# Altium PCB PM06-核心板载板-V1.PcbDoc
Units mil, origin at the board's own origin, x right, y up, seen from the top; angles counter-clockwise.
Board outline 3346.46 x 2204.72 mil, 2 copper layers (Top Layer, Bottom Layer); 38 components, 125 nets, 284 pads, 91 vias.
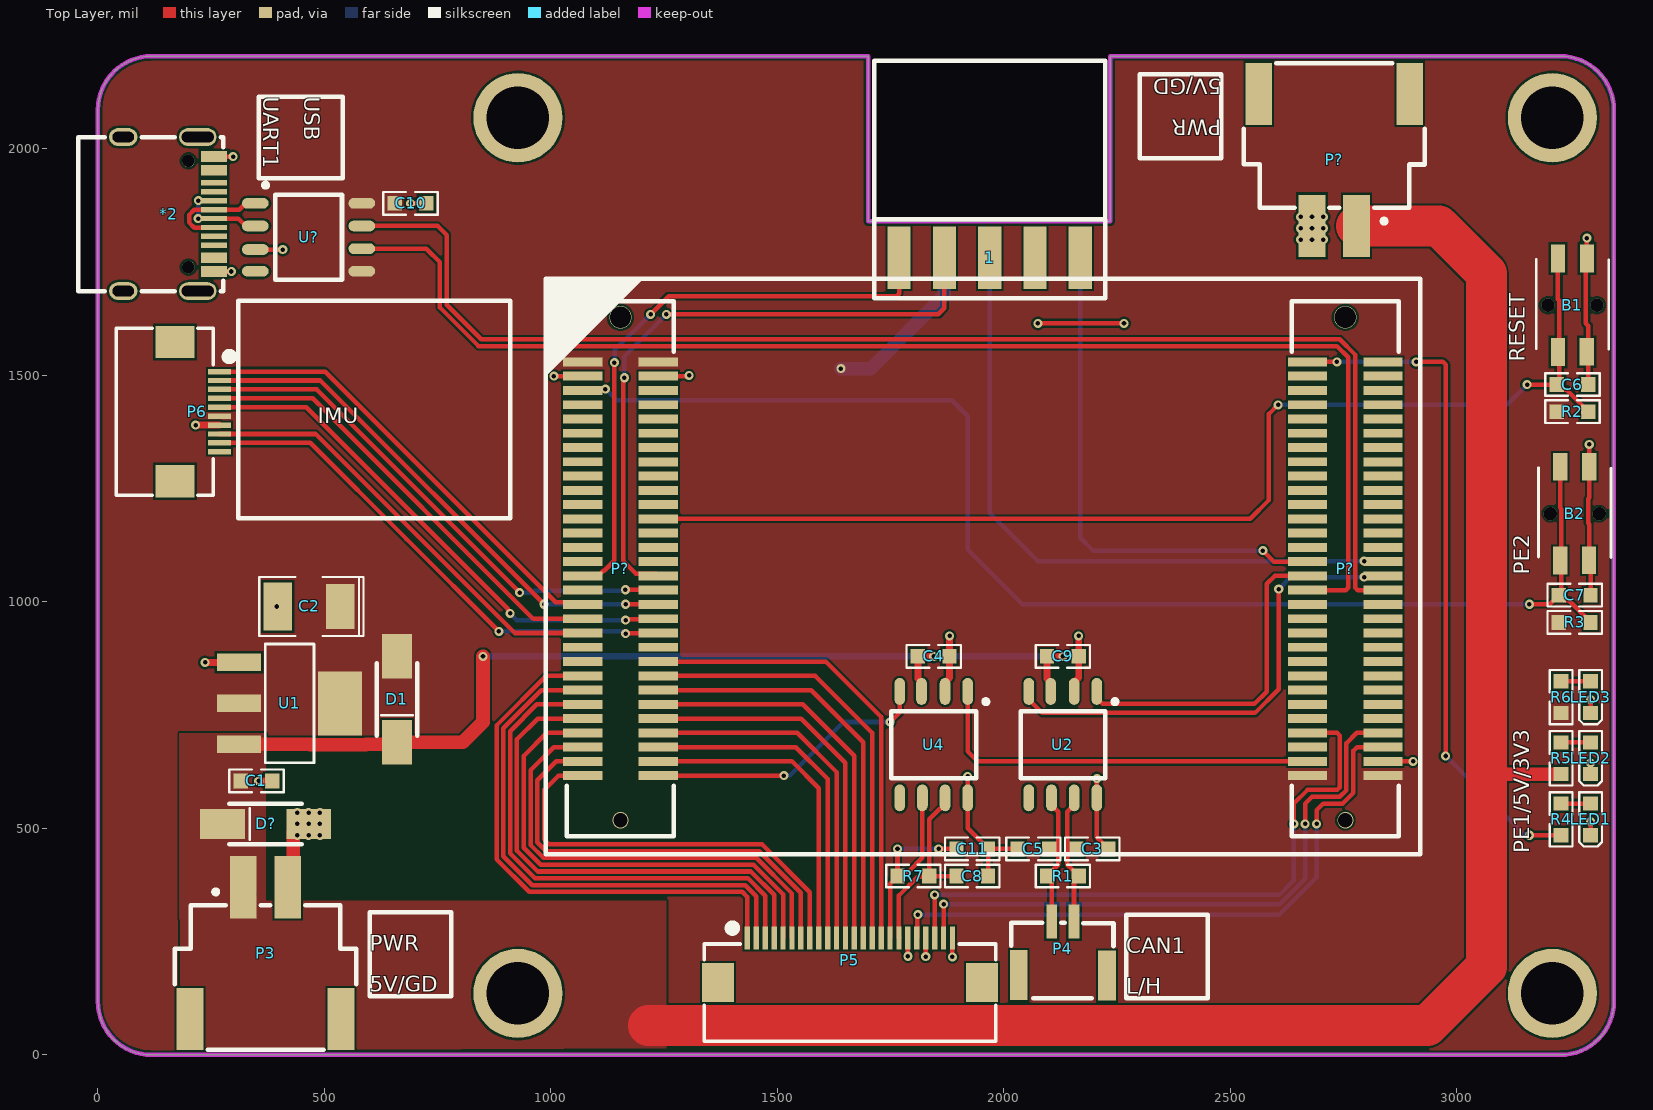
[diagram p0: Top Layer view]
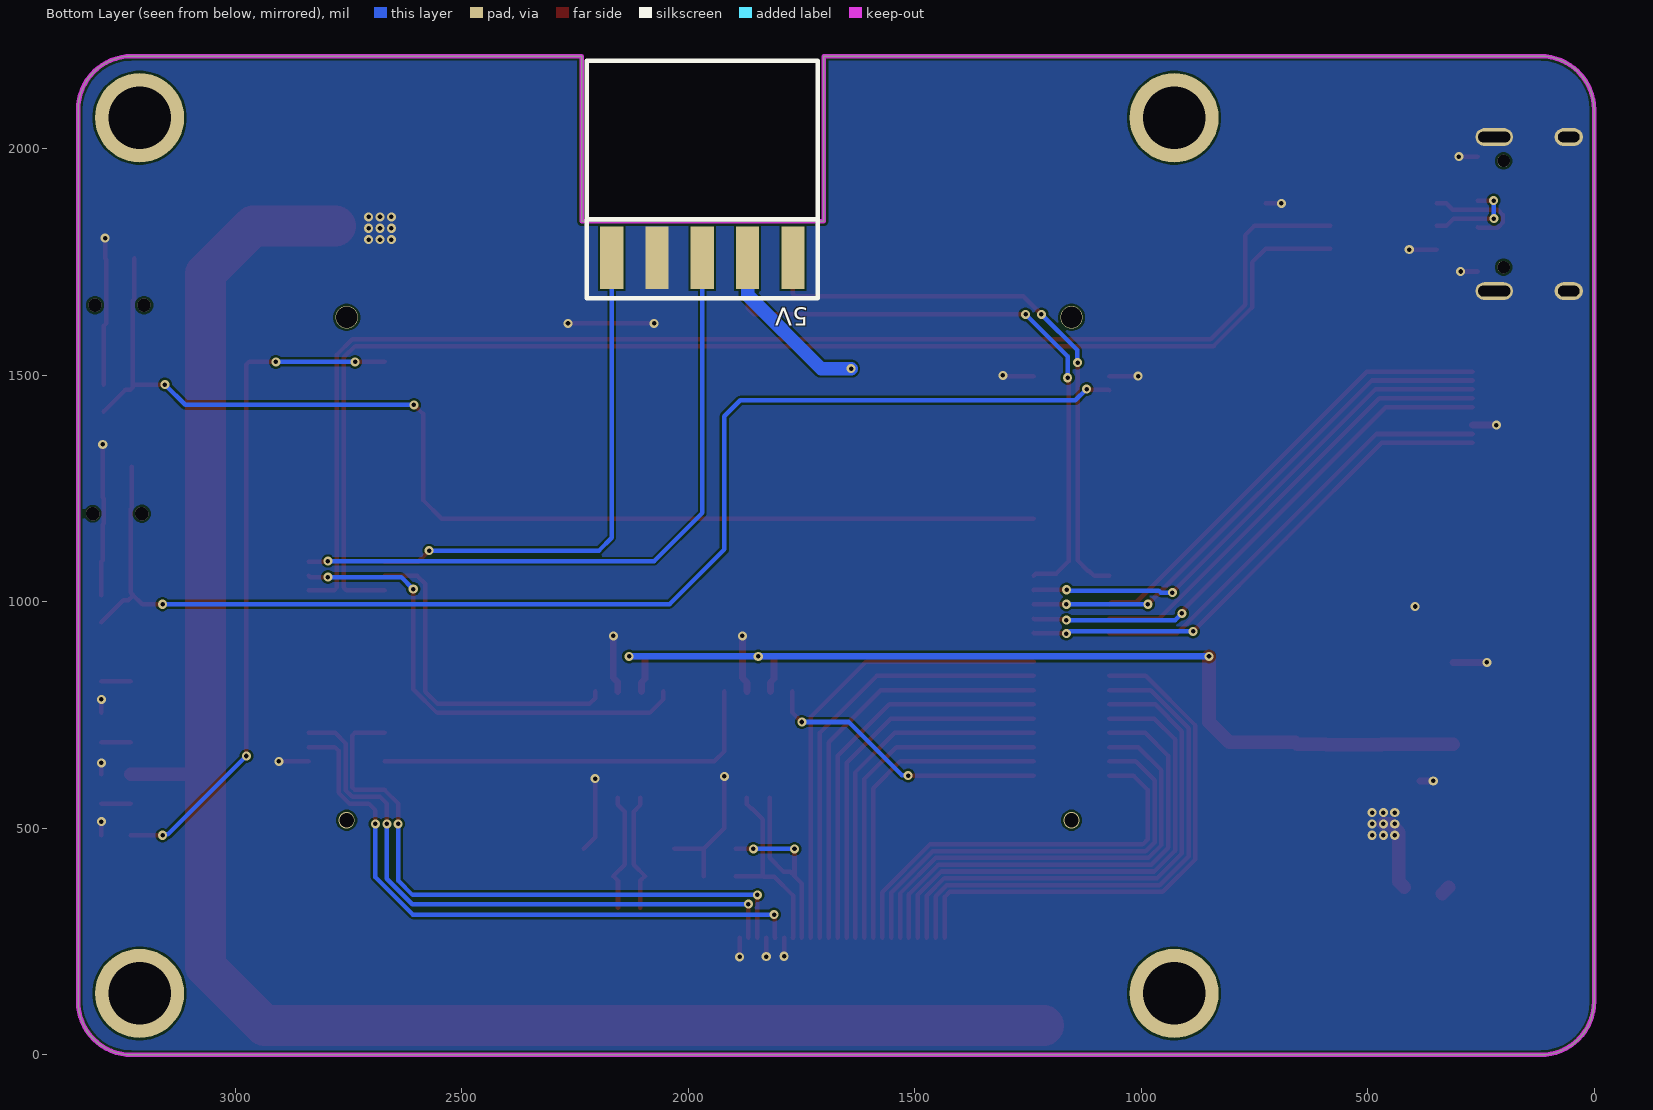
[diagram p1: Bottom Layer view, seen from below]
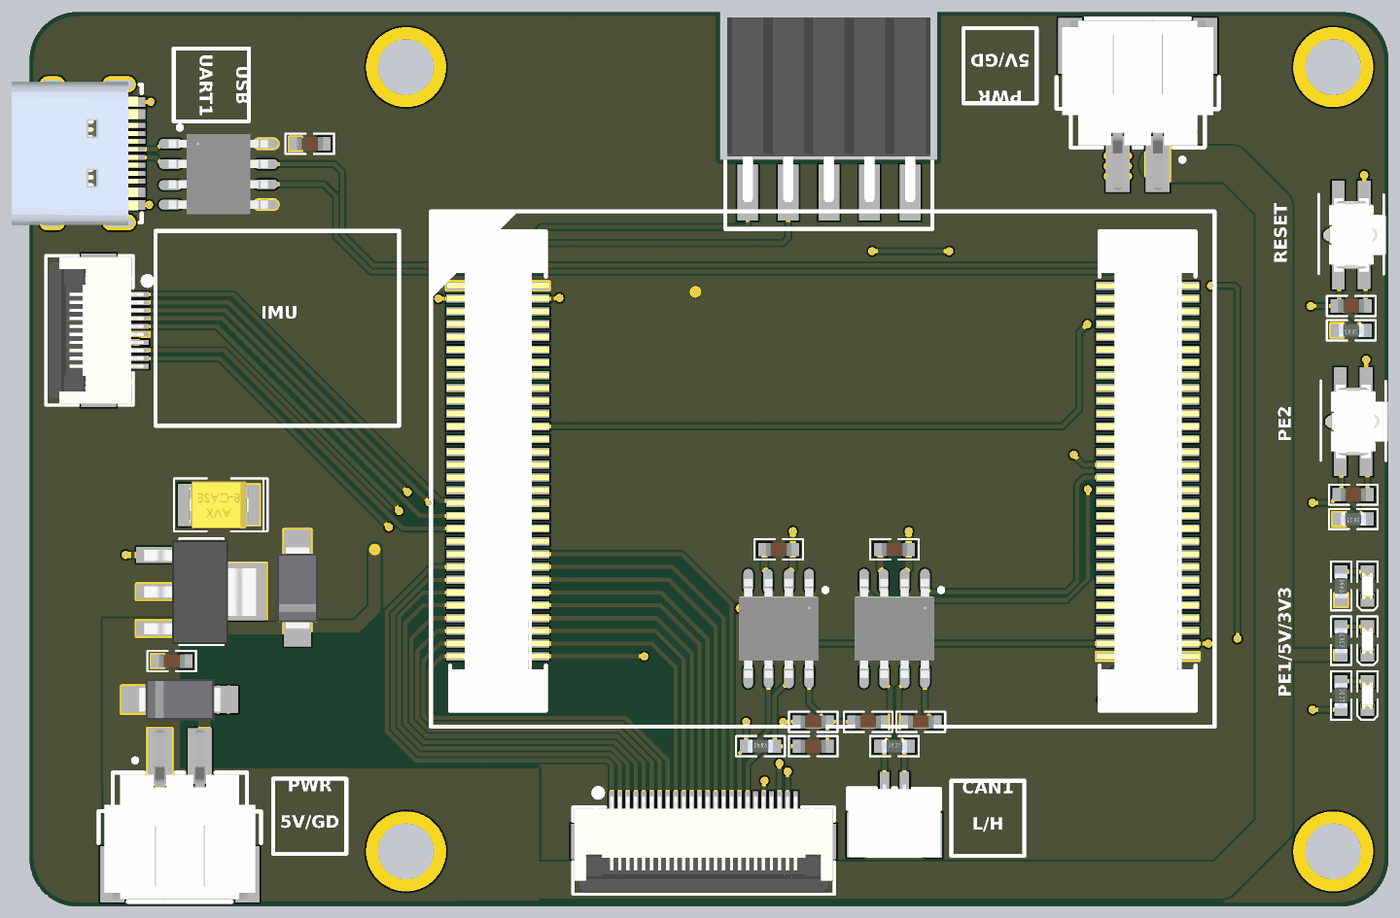
[diagram p2: 3D render of the assembled board from above, using the file's embedded part models]

## Layer stack, top to bottom
Top Solder: solder mask 0.4, Solder Resist, Dk 3.5
Top Layer: signal copper 1.4
Dielectric 1: dielectric 12.6, FR-4, Dk 4.8
Bottom Layer: signal copper 1.4
Bottom Solder: solder mask 0.4, Solder Resist, Dk 3.5

## Board outline
0,118.11 0,2086.61 cw(c118.11,2086.61) 118.11,2204.72 1700,2204.72 1700,1840 2235,1840 2235,2204.72 3228.35,2204.72 cw(c3228.35,2086.61) 3346.46,2086.61 3346.46,118.11 cw(c3228.35,118.11) 3228.35,0 118.11,0 cw(c118.11,118.11)

## Design rules (kind name [scope] priority, off if disabled: settings)
Clearance [All] p1: gap=5 ignorepadtopadclearanceinfootprint=FALSE
PolygonConnect [All] p1: connectstyle=Direct reliefconductorwidth=10 reliefentries=4 polygonreliefangle="90 Angle" airgapwidth=10
RoutingVias [All] p1: holewidth=10 width=20 viastyle="Through Hole" minholewidth=10 minwidth=20 maxholewidth=28 maxwidth=50
SolderMaskExpansion [All] p1: expansion=4 istentingtop=FALSE
Width [All] p1: maxlimit=100 minlimit=5 preferedwidth=10
30 further rules are at their usual default settings.

## Components (designator, comment, footprint, x,y, rotation, side; value= is the part's Value field where it differs from the comment)
1 "CMSIS_DAP" CMSIS_DAP_PW 1968.5,1760 r180 top
*2 "TpC卧式16P" USB-TypeC-PW-F-16P 118.11,1856.3 r270 top
B1 "按键" *Button_3.5*3.55_W 3255,1655 r270 top
B2 "按键" *Button_3.5*3.55_W 3260,1195 r270 top
C1 "10uF" 0603C 350,605 r180 top
C2 "100uF" 3528B/1210 466.1,990 r180 top
C3 "30pF" 0603C 2195,455 r180 top
C4 "0.1uF" 0603C 1845,880 r0 top
C5 "30pF" 0603C 2065,455 r0 top
C6 "0.1uF" 0603C 3255,1480 r180 top
C7 "0.1uF" 0603C 3260,1015 r180 top
C8 "30pF" 0603C 1930,395 r180 top
C9 "0.1uF" 0603C 2130,880 r0 top
C10 "0.1uF" 0603C 690,1880 r180 top
C11 "30pF" 0603C 1930,455 r180 top
D1 "SS34" SMA 660,785 r270 top
D? "SMAJ5.0A" SMA 370,510 r180 top
LED1 "LED" 0603D 3295,520 r270 top
LED2 "LED" 0603D 3295,655 r270 top
LED3 "LED" 0603D 3295,790 r270 top
P3 "XH2.54" XH2.54_AW_1*2 370,225 r0 top
P4 "GH1.25" GH1.25-PW-1*2 2130,235 r0 top
P5 "FPC24P" FPC0.5-WT-24P 1660,160 r0 top
P6 "IMU小板" FPC0.5-WT-10P 170,1420 r270 top
P? "XH2.54" XH2.54_AW_1*2 2729.2,1975.67 r180 top
P? "BTB30P" BTB_M_30*2*0.8mm 1153.47,1073.22 r90 top
P? "BTB30P" BTB_M_30*2*0.8mm 2753.47,1073.22 r90 top
R1 "120" 0603R 2130,395 r0 top
R2 "10k" 0603R 3255,1420 r180 top
R3 "10k" 0603R 3260,955 r180 top
R4 "10k" 0603R 3230,520 r270 top
R5 "10k" 0603R 3230,655 r270 top
R6 "10k" 0603R 3230,790 r270 top
R7 "120" 0603R 1800,395 r0 top
U1 "AMS1117" SOT-223 420,775 r270 top
U2 "TJA1040" SOP-8 2130,685 r270 top
U4 "TJA1040" SOP-8 1845,685 r270 top
U? "CH340N" SOP-8 465,1805 r0 top

## Footprints (in the part's own frame and the unit in brackets; to place one, negate y for a bottom-side part, rotate by r counter-clockwise, add the part's x,y. Pads: shape width x height; smd on the part's side, far side on the other; paste and mask are expansions set on the pad)
0603C [mm] "0603锟斤拷装锟斤拷锟斤拷锟斤拷锟斤拷"
  rect 0.8x0.83 smd: 1(-0.889,0) 2(0.889,0)
  silkscreen extent -1.52,-0.64 1.52,0.64, body extent -0.8,-0.41 0.8,0.41, height 0.81
0603D [mm] "0603锟斤拷装锟斤拷LED锟斤拷"
  rect 0.8x0.83 smd: 1(-0.889,0) 2(0.889,0)
  silkscreen extent -1.52,-0.64 1.52,0.64, body extent -0.81,-0.4 0.81,0.4, height 0.6
0603R [mm] "0603锟斤拷装锟斤拷锟斤拷锟斤拷锟矫ｏ拷缺锟斤拷为锟斤拷锟斤拷锟斤拷锟斤拷/锟斤拷锟斤拷"
  rect 0.8x0.83 smd: 1(-0.889,0) 2(0.889,0)
  silkscreen extent -1.52,-0.64 1.52,0.64, body extent -0.8,-0.4 0.8,0.4, height 0.42
3528B/1210 [mm] "1210锟斤拷装锟斤拷锟斤拷锟斤拷锟紹锟斤拷锟矫ｏ拷缺锟斤拷为锟斤拷锟斤拷锟斤拷锟斤拷/锟斤拷锟斤拷"
  rect 1.6x2.54 smd: 1(-1.75,0)
  rect 1.6x2.667 smd: 2(1.75,0)
  silkscreen extent -3.05,-1.65 2.79,1.65, body extent -1.85,-1.47 1.85,1.46, height 2.03
*Button_3.5*3.55_W [mm]
  rect 1.55x0.8 smd: 1(-2.625,0.813) 1(2.616,0.802) 2(-2.625,-0.813) 2(2.625,-0.813)
  silkscreen extent -2.57,-2.03 2.46,2.03, body extent -2.31,-1.39 2.29,2.16, height 1.42
BTB_M_30*2*0.8mm [mm]
  rect 0.5x2.2 smd: 1(-11.6,2.12) 2(-10.8,2.12) 3(-10,2.12) 4(-9.2,2.12) 5(-8.4,2.12) 6(-7.6,2.12) 7(-6.8,2.12) 8(-6,2.12) 9(-5.2,2.12) 10(-4.4,2.12) 11(-3.6,2.12) 12(-2.8,2.12) 13(-2,2.12) 14(-1.2,2.12) 15(-0.4,2.12) 16(0.4,2.12) 17(1.2,2.12) 18(2,2.12) 19(2.8,2.12) 20(3.6,2.12) 21(4.4,2.12) 22(5.2,2.12) 23(6,2.12) 24(6.8,2.12) 25(7.6,2.12) 26(8.4,2.12) 27(9.2,2.12) 28(10,2.12) 29(10.8,2.12) 30(11.6,2.12) 31(11.6,-2.12) 32(10.8,-2.12) 33(10,-2.12) 34(9.2,-2.12) 35(8.4,-2.12) 36(7.6,-2.12) 37(6.8,-2.12) 38(6,-2.12) 39(5.2,-2.12) 40(4.4,-2.12) 41(3.6,-2.12) 42(2.8,-2.12) 43(2,-2.12) 44(1.2,-2.12) 45(0.4,-2.12) 46(-0.4,-2.12) 47(-1.2,-2.12) 48(-2,-2.12) 49(-2.8,-2.12) 50(-3.6,-2.12) 51(-4.4,-2.12) 52(-5.2,-2.12) 53(-6,-2.12) 54(-6.8,-2.12) 55(-7.6,-2.12) 56(-8.4,-2.12) 57(-9.2,-2.12) 58(-10,-2.12) 59(-10.8,-2.12) 60(-11.6,-2.12)
  silkscreen extent -15,-3 15,3, body extent -14.9,-3.22 14.9,3.18, height 4.6
CMSIS_DAP_PW [mm]
  rect 1.3x3.5 smd far side: 1(-5.08,0) 2(-2.54,0) 3(0,0) 4(2.54,0) 5(5.08,0)
  rect 1.3x3.5 smd: 6(5.08,0) 7(2.54,0) 8(0,0) 9(-2.54,0) 10(-5.08,0)
  silkscreen extent -6.48,-11.05 6.48,2.29, body extent -6.35,-10.95 6.35,0.59, height 2.34
FPC0.5-WT-10P [mm]
  rect 1.8x2.2 smd: 0(-3.9,0) 0(3.9,0)
  rect 0.3x1.3 smd: 1(-2.25,2.497) 2(-1.75,2.497) 3(-1.25,2.497) 4(-0.75,2.497) 5(-0.25,2.497) 6(0.25,2.497) 7(0.75,2.497) 8(1.25,2.497) 9(1.75,2.497) 10(2.25,2.497)
  silkscreen extent -4.67,-3.3 4.67,3.23, body extent -4.6,-3.15 4.6,2.85, height 2
FPC0.5-WT-24P [mm]
  rect 1.8x2.2 smd: 0(-7.4,0) 0(7.4,0)
  rect 0.3x1.3 smd: 1(-5.75,2.497) 2(-5.25,2.497) 3(-4.75,2.497) 4(-4.25,2.497) 5(-3.75,2.497) 6(-3.25,2.497) 7(-2.75,2.497) 8(-2.25,2.497) 9(-1.75,2.497) 10(-1.25,2.497) 11(-0.75,2.497) 12(-0.25,2.497) 13(0.25,2.497) 14(0.75,2.497) 15(1.25,2.497) 16(1.75,2.497) 17(2.25,2.497) 18(2.75,2.497) 19(3.25,2.497) 20(3.75,2.497) 21(4.25,2.497) 22(4.75,2.497) 23(5.25,2.497) 24(5.75,2.497)
  silkscreen extent -8.18,-3.3 8.18,3.23, body extent -8.1,-3.15 8.1,2.85, height 2
GH1.25-PW-1*2 [mm]
  rect 0.6x1.9 smd: 1(-0.625,1.513) 2(0.625,1.513)
  rect 1x2.8 smd: ""(-2.475,-1.488) ""(2.475,-1.513)
  silkscreen extent -2.9,-2.79 2.84,1.43, body extent -2.88,-2.89 2.88,1.67, height 4.14
SMA [mm] "锟斤拷锟斤拷锟斤拷肖锟截伙拷锟斤拷锟斤拷锟杰的凤拷装锟斤拷锟斤拷锟斤拷锟竭碉拷一锟斤拷为锟斤拷锟斤拷"
  rect 2.5x1.7 smd: 1(-2.413,0) 2(2.413,0)
  silkscreen extent -2.03,-1.14 2.03,1.14, body extent -2.6,-1.3 2.6,1.3, height 2.37
SOP-8 [mm] "通锟斤拷SOP8不带底部焊盘"
  oval 1.5x0.6 smd: 1(-2.985,1.905) 2(-2.984,0.635) 3(-2.984,-0.686) 4(-2.984,-1.905) 5(2.985,-1.905) 6(2.984,-0.635) 7(2.984,0.635) 8(2.984,1.905)
  silkscreen extent -2.54,-2.37 1.87,3.05, body extent -3.1,-2.5 3.1,2.5, height 1.7
SOT-223 [mm]
  rect 0.98x2.47 smd: 1(-2.327,-2.757) 2(-0.027,-2.757) 3(2.273,-2.757)
  rect 3.6x2.47 smd: 4(-0.027,2.913)
  silkscreen extent -3.35,-1.29 3.3,1.45, body extent -3.25,-3.5 3.25,3.5, height 1.65
USB-TypeC-PW-F-16P [mm]
  oval 1x2.1 hole 0.6 slot 1.8 at 90 deg: 13(-4.32,2.6) 14(4.32,2.6)
  oval 1x1.6 hole 0.6 slot 1.2 at 90 deg: 15(-4.32,-1.58) 16(4.32,-1.58)
  rect 0.6x1.45 smd: A1B12(-3.225,3.515) A4B9(-2.45,3.515) B1A12(3.22,3.515) B4A9(2.45,3.515)
  rect 0.3x1.45 smd: A5(-1.25,3.514) A6(-0.25,3.515) A7(0.25,3.515) A8(1.25,3.515) B5(1.75,3.515) B6(0.75,3.515) B7(-0.75,3.515) B8(-1.75,3.515)
  round 0.7 hole 0.7 unplated: ""(-2.98,2.07) ""(2.98,2.07)
  silkscreen extent -4.32,-4.11 4.32,4.02, body extent -4.47,-4.13 4.47,3.77, height 3.13
XH2.54_AW_1*2 [mm]
  rect 1.5x3.5 smd: 1(-1.25,3.7) 2(1.25,3.7) ""(-4.23,-3.7) ""(4.23,-3.7)
  silkscreen extent -5.08,-5.42 5.08,3.56, body extent -4.73,-5.27 4.73,5.33, height 5.97

## Part data
*2: library part 接口USB-C-16P
B1 B2: library part 按键_贴片
C1 C3 C4 C5 C6 C7 C8 C9 C10 C11: library part 电容_贴片
C2: library part 电容_贴片钽
D1: library part 二极管_肖特基
D?: library part 二极管_瞬态抑制
LED1 LED2 LED3: library part 二极管_贴片发光
P3 P4 P?: library part 接插件1*2
P5: library part 接插件1*24
P6: library part 接插件1*10
P? P?: library part 接插件2*30
R1 R2 R3 R4 R5 R6 R7: library part 电阻_贴片
U1: library part 芯片/IC-线性稳压管-AMS1117
U2 U4: library part 芯片/IC-CAN通信-TJA1040
U?: library part 芯片/IC-USB转串口-CH340N

## Free pads (board coordinates)
  round 196.85 hole 137.8: ""(927.17,135.83) ""(927.17,2068.9) ""(3210.63,2068.9) ""(3210.63,135.83)

## Via types
v1: diameter 20, hole 10, Top Layer to Bottom Layer, 83 vias
v2: diameter 29.53, hole 29.53, Top Layer to Bottom Layer, 4 vias
v3: diameter 49.21, hole 47.24, Top Layer to Bottom Layer, 2 vias
v4: diameter 35.43, hole 31.5, Top Layer to Bottom Layer, 2 vias

## Nets (pads, with @x,y where several pads share a name; then routed paths per layer and width w, separated by ;. In a path a pad name is that pad's centre, name@x,y a point inside that pad or via, vN(x,y) a via of type N, cw(c..) or ccw(c..) an arc to the next point about the centre after c; other vN are vias at no path point)
+3V3: 1.4 C2.1 C10.2 D1.1 P6.6 P?.1@2670,616.54 P?.30@1070,1529.92 P?.31@1236.94,1529.9 P?.60@2836.94,616.52 R2.2 R3.2 R6.2 U1.2 U1.4 U?.5 U?.8 | length 378.4
  Bottom Layer w30: v1(1640,1515) 1706.15,1515 1868.5,1677.35 1.4
+5V: C1.2 C4.1 C9.1 D1.2 D?.2 P3.1 P?.1@2778.43,1830 R5.2 U1.3 U2.3 U4.3 | length 6135.4
  Top Layer w15: U4.3 1818,822.55 1810,830.55 C4.1 v1(1845,880) ; U2.3 2103,822.55 2095,830.55 C9.1 v1(2130,880)
  Top Layer w30: U1.3 468.19,685.5 468.5,685.18 591.6,685.18 591.92,685.5 655.5,685.5 D1.2 805,690 850,735 v1(850,880) ; P3.1 P3.1@335.3,356.14 ; 3095,620 R5.2
  Top Layer w90: 1215,65 2935,65 3065,195 3065,620 3065,1725 2960,1830 P?.1@2778.43,1830
  Bottom Layer w15: v1(850,880) v1(1845,880) v1(2130,880)
A1: P5.9 P?.59@1236.94,648.01 | length 709.2
  Top Layer w10: P?.59@1236.94,648.01 1531.99,648.01 1591.1,588.9 P5.9
A2: P5.10 P?.58@1236.94,679.51 | length 753.9
  Top Layer w10: P?.58@1236.94,679.51 1540.49,679.51 1610.79,609.21 P5.10
A3: P5.11 P?.57@1236.94,711.01 | length 795.6
  Top Layer w10: P?.57@1236.94,711.01 1543.99,711.01 1630.47,624.53 P5.11
A4: P5.12 P?.56@1236.94,742.5 | length 840.2
  Top Layer w10: P?.56@1236.94,742.5 1552.5,742.5 1650,645 1650,258.46 P5.12
B1: P5.13 P?.55@1236.94,774 | length 881.9
  Top Layer w10: P?.55@1236.94,774 1556,774 1669.84,660.16 P5.13
B2: P5.14 P?.54@1236.94,805.49 | length 932.4
  Top Layer w10: P?.54@1236.94,805.49 1574.51,805.49 1689.53,690.47 P5.14
B3: P5.15 P?.53@1236.94,836.99 | length 977
  Top Layer w10: P?.53@1236.94,836.99 1583.01,836.99 1709.21,710.79 P5.15
B4: P5.16 P?.52@1236.94,868.49 | length 1030.4
  Top Layer w10: P?.52@1236.94,868.49 1606.51,868.49 1728.9,746.1 P5.16
C1: P5.8 P?.1@1070,616.54 | length 943
  Top Layer w10: P?.1@1070,616.54 1016.54,616.54 985,585 985,475.86 995.86,465 1465.92,465 1571.42,359.5 P5.8
C2: P5.7 P?.2@1070,648.03 | length 981.7
  Top Layer w10: P?.2@1070,648.03 1011.69,648.03 969.95,606.29 969.95,469.69 989.64,450 1459.71,450 1551.73,357.97 P5.7
C3: P5.6 P?.3@1070,679.53 | length 1020.8
  Top Layer w10: P?.3@1070,679.53 1005.86,679.53 954.95,628.62 954.95,463.48 983.43,435 1453.49,435 1532.05,356.45 P5.6
C4: P5.5 P?.4@1070,711.02 | length 1065.4
  Top Layer w10: P?.4@1070,711.02 990.86,711.02 939.95,660.12 939.95,457.27 977.22,420 1447.28,420 1512.36,354.92 P5.5
CAN1_H: C3.2 P4.2 R1.2 U2.7 | length 263.8
  Top Layer w10: P4.2@2154.61,324.55 2154.61,384.61 R1.2 2140,420 2140,537.11 2155,552.11 U2.7
CAN1_L: C5.2 P4.1 R1.1 U2.6 | length 263.8
  Top Layer w10: U2.6 2105,552.11 2120,537.11 2120,420 R1.1 2105.4,384.6 P4.1@2105.4,324.55
CAN1_MRX: P?.46@2836.94,1057.46 U2.4 | length 1066.7
  Top Layer w10: U2.4 2055,784.78 2084.78,755 2554.14,755 2606.64,807.5 v1(2606.64,1028.36) ; v1(2795,1055) 2834.48,1055 P?.46@2836.94,1057.46
  Bottom Layer w10: v1(2606.64,1028.36) 2633.28,1055 v1(2795,1055)
CAN1_MTX: P?.15@2670,1057.48 U2.1 | length 741.5
  Top Layer w10: U2.1 2205,787.67 2217.67,775 2552.93,775 2580,802.07 2580,1040 2597.48,1057.48 P?.15@2670,1057.48
CAN2_H: C8.2 P5.18 R7.2 U4.7 | length 427.4
  Top Layer w10: P5.18@1769.17,259.21 P5.18 1768.27,352.04 1810,393.77 1833.77,393.77 R7.2 ; U4.7 1870,553.47 1859.96,543.43 1858.43,543.43 1835,520 R7.2 ; C8.2 R7.2
CAN2_L: C11.2 P5.17 R7.1 U4.6 | length 538.8
  Top Layer w10: P5.17@1749.49,259.21 P5.17 1748.58,377.99 1765,394.41 R7.1 ; v1(1765,455) R7.1 ; U4.6 1820,435 1789.15,404.15 1774.15,404.15 R7.1 ; v1(1855.86,455) C11.2
  Bottom Layer w10: v1(1765,455) v1(1855.86,455)
CAN2_MRX: P?.60@1236.94,616.52 U4.4 | length 637.3
  Top Layer w10: P?.60@1236.95,616.51 v1(1514.02,616.5) ; v1(1748.9,735) 1770,756.1 U4.4
  Bottom Layer w10: v1(1514.02,616.5) 1515.46,617.94 1527.94,617.94 1645,735 v1(1748.9,735)
CAN2_MTX: P?.2@2670,648.03 U4.1 | length 891.6
  Top Layer w10: U4.1 1920,670 1941.97,648.03 P?.2@2670,648.03
CSB_ACCEL: P6.5 P?.49@1236.94,962.98 | length 1167.4
  Top Layer w10: P6.5 460.16,1429.84 905,985 905,982.71 910,977.71 v1(910,975) ; v1(1165,960) 1166.49,961.49 1235.45,961.49 P?.49@1236.94,962.98
  Bottom Layer w10: v1(910,975) 925,960 v1(1165,960)
CSB_GYRO: P6.4 P?.12@1070,962.99 | length 1003.2
  Top Layer w10: P6.4 473.9,1449.53 960.44,962.99 P?.12@1070,962.99
D1: P5.1 P?.8@1070,837.01 | length 1209.2
  Top Layer w10: P?.8@1070,837.01 989.58,837.01 879.95,727.38 879.95,432.41 952.37,360 1422.43,360 1433.62,348.8 P5.1
D2: P5.2 P?.7@1070,805.51 | length 1179.5
  Top Layer w10: P?.7@1070,805.51 1069.49,805 978.79,805 894.95,721.17 894.95,438.63 958.58,375 1428.64,375 1453.31,350.33 P5.2
D3: P5.3 P?.6@1070,774.02 | length 1149.7
  Top Layer w10: P?.6@1070,774.02 969.02,774.02 909.95,714.95 909.95,444.84 964.79,390 1434.85,390 1472.99,351.86 P5.3
D4: P5.4 P?.5@1070,742.52 | length 1112.9
  Top Layer w10: P?.5@1070,742.52 970.86,742.52 924.95,696.61 924.95,451.05 971.01,405 1441.07,405 1492.68,353.39 P5.4
DN: *2.A7 *2.B7 U?.2 | length 208.6
  Top Layer w10: v1(221.11,1846.03) 221.32,1846.24 256.27,1846.24 *2.A7 309.64,1846.46 326.1,1830 U?.2 ; v1(221.55,1886.03) 221.65,1885.93 256.39,1885.93 *2.B7
  Bottom Layer w10: v1(221.11,1846.03) 221.33,1846.25 221.33,1885.81 v1(221.55,1886.03)
DP: *2.A6 *2.B6 U?.1 | length 234.1
  Top Layer w10: *2.B6 255.74,1826.03 212.82,1826.03 201.11,1837.75 201.11,1854.31 212.82,1866.03 256.37,1866.03 *2.A6 312.24,1866.14 326.1,1880 U?.1
GND: 1.2 *2.13 *2.14 *2.15 *2.16 *2.A1B12 *2.B1A12 B1.1 B2.1 C1.1 C2.2 C3.1 C4.2 C5.1 C6.1 C7.1 C8.1 C9.2 C10.1 C11.1 D?.1 LED1.2 LED2.2 LED3.2 P3.2 P5.19 P5.21 P5.24 P6.7 P?.2@2680,1830 P?.29@1070,1498.43 P?.32@1236.94,1498.41 P?.59@2836.94,648.01 U1.1 U2.2 U2.8 U4.2 U4.8 U?.3 | length 2484.7
  Top Layer w10: *2.B1A12 v1(294.53,1729.53) ; *2.A1B12 v1(298.27,1983.27) ; U?.3 v1(408,1778) ; v1(690,1880) C10.1 ; v1(1006.57,1498.43) P?.29@1070,1498.43 ; P?.32@1236.94,1498.41 1303.41,1498.41 v1(1305,1500) ; v1(1787.95,217.95) P5.19 ; v1(1827.32,217.32) P5.21 ; v1(1886.38,216.38) P5.24 ; v1(1920,615) U4.8 1920,500.59 1965,455.59 C11.1 ; C8.1 C11.1 ; C5.1 C11.1 ; v1(2075,1615) v1(2265,1615) ; v1(2205,610) U2.8 2205,480.59 2230,455.59 C3.1 ; P?.59@2836.94,648.01 v1(2903.01,648.01) ; v1(3287,1803) 3287,1758.35 3284.37,1755.72 3284.37,1614.9 3290,1609.27 C6.1 ; v1(3292,1348) 3292,1298.35 3292,1230.1 3289.37,1227.47 3289.37,1173.81 3292,1171.18 3292,1092.42 3291.57,1092 3295,1088.57 C7.1 ; LED1.2 v1(3295,515) ; LED2.2 v1(3295,645) ; LED3.2 v1(3295,785)
  Top Layer w15: v1(215.47,1390.47) P6.7 ; v1(236.6,866.6) U1.1 ; v1(355,605) C1.1 ; v1(395,990) C2.2 ; U4.2 1870,822.55 1880,832.55 C4.2 v1(1880,925) ; U2.2 2155,822.55 2165,832.55 C9.2 v1(2165,925)
  Top Layer w30: P3.2 430.79,382.26 430.79,491.54 449.25,510 v1(465,510)
  other v1: 440,485 465,485 490,485 440,510 490,510 440,535 465,535 490,535 2655,1800 2680,1800 2705,1800 2655,1825 2680,1825 2705,1825 2655,1850 2680,1850 2705,1850
INT1: P6.8 P?.11@1070,931.5 | length 983.7
  Top Layer w10: P6.8 480.43,1370.79 919.72,931.5 P?.11@1070,931.5
INT3: P6.9 P?.50@1236.94,931.48 | length 1143.7
  Top Layer w10: P6.9 468.9,1351.1 680.99,1139.01 v1(885,935) ; v1(1165,930) 1165.74,930.74 1236.2,930.74 P?.50@1236.94,931.48
  Bottom Layer w10: v1(885,935) 1157.29,935 1162.29,930 v1(1165,930)
LED_Din: P5.20 P?.58@2836.94,679.51 | length 1373.3
  Top Layer w10: P5.20 1808.54,259.21 1808.54,308.54 v1(1810,310) ; v1(2690,510) 2690,540 2705,555 2747.67,555 2771.1,578.43 2771.1,671.1 2779.51,679.51 P?.58@2836.94,679.51
  Bottom Layer w10: v1(1810,310) 2607.43,310 2690,392.57 v1(2690,510)
M_RX: P5.22 P?.4@2670,711.02 | length 1375.2
  Top Layer w10: v1(1846.78,353.22) 1846.89,353.11 1846.89,258.42 P5.22 ; v1(2640,510) 2640,555 2670,585 2735.24,585 2741.1,590.86 2741.1,705.17 2735.24,711.02 P?.4@2670,711.02
  Bottom Layer w10: v1(1846.78,353.22) 2608.22,353.22 2640,385 v1(2640,510)
M_TX: P5.23 P?.57@2836.94,711.01 | length 1359.6
  Top Layer w10: P5.23 1866.69,332.78 v1(1866.89,332.98) ; v1(2665,510) 2665,555 2680,570 2741.45,570 2756.1,584.64 2756.1,688.47 2778.63,711.01 P?.57@2836.94,711.01
  Bottom Layer w10: v1(1866.89,332.98) 2609.2,332.98 2665,388.79 v1(2665,510)
MISO: P6.1 P?.13@1070,994.49 | length 1014.6
  Top Layer w10: P6.1 501.42,1508.58 1010.67,999.33 1065.16,999.33 P?.13@1070,994.49
MOSI: P6.2 P?.48@1236.94,994.47 | length 1173.4
  Top Layer w10: P6.2 491.1,1488.9 v1(985,995) ; v1(1165,995) 1165.26,994.74 1236.68,994.74 P?.48@1236.94,994.47
  Bottom Layer w10: v1(985,995) v1(1165,995)
NetLED1_1: LED1.1 R4.1 | length 65
  Top Layer w10: R4.1 LED1.1
NetLED2_1: LED2.1 R5.1 | length 65
  Top Layer w10: R5.1 LED2.1
NetLED3_1: LED3.1 R6.1 | length 65
  Top Layer w10: R6.1 LED3.1
NRST: B1.2 C6.2 P?.42@1236.94,1183.45 R2.1 | length 2589.8
  Top Layer w10: P?.42@1236.94,1183.45 2543.45,1183.45 2585,1225 2585,1415 v1(2605,1435) ; v1(3155,1480) C6.2 ; B1.2@3223,1758.35 3223,1667.89 3225.63,1665.26 3225.63,1473.78 3230.75,1468.66 3241.93,1468.66 3290,1420.59 R2.1
  Bottom Layer w10: v1(2605,1435) 3110,1435 v1(3155,1480)
PA0: P?.16@1070,1088.98
PA1: P?.45@1236.94,1088.96
PA2: 1.6 P?.15@1070,1057.48 | length 1307.3
  Top Layer w10: P?.15@1070,1057.48 1103.46,1057.48 1115.12,1069.13 1117.45,1069.13 1140,1091.68 v1(1140,1528.48) ; v1(1220,1635) 1260,1675 1762.65,1675 1768.5,1680.86 1.6
  Bottom Layer w10: v1(1140,1528.48) 1141.18,1529.66 1141.18,1556.18 v1(1220,1635)
PA3: 1.7 P?.46@1236.94,1057.46 | length 1405.4
  Top Layer w10: v1(1161.91,1495) 1160,1493.09 1160,1090 1187.69,1062.31 1232.1,1062.31 P?.46@1236.94,1057.46 ; v1(1255,1635) 1855,1635 1868.5,1648.5 1.7
  Bottom Layer w10: v1(1161.91,1495) 1161.91,1541.91 v1(1255,1635)
PA4: P?.14@1070,1025.98
PA5: P6.3 P?.47@1236.94,1025.97 | length 1157.3
  Top Layer w10: P6.3 482.5,1469.21 v1(930.86,1020.86) ; v1(1164.31,1026.99) 1164.82,1026.48 1236.43,1026.48 P?.47@1236.94,1025.97
  Bottom Layer w10: v1(930.86,1020.86) 956.72,1020.86 960.86,1025 1162.32,1025 v1(1164.31,1026.99)
PA8: P?.13@2670,994.49
PA9: P?.47@2836.94,1025.97 U?.7 | length 2978.9
  Top Layer w10: U?.7 750,1830 770,1810 770,1656.21 846.21,1580 2719.14,1580 2741.21,1580 2775,1546.21 2775,1524.14 2775,1031.83 2780.86,1025.97 P?.47@2836.94,1025.97
PA10: P?.14@2670,1025.98 U?.6 | length 2936.1
  Top Layer w10: U?.6 725,1780 755,1750 755,1650 840,1565 2735,1565 2760,1540 2760,1031.84 2754.14,1025.98 P?.14@2670,1025.98
PA13: 1.3 P?.45@2836.94,1088.96 | length 1476.5
  Top Layer w10: v1(2795,1090) 2796.04,1088.96 P?.45@2836.94,1088.96
  Bottom Layer w10: 1.3 1968.5,1196.5 2075,1090 v1(2795,1090)
PA14: 1.1 P?.16@2670,1088.98 | length 1141.8
  Top Layer w10: v1(2571.54,1113.46) 2596.02,1088.98 P?.16@2670,1088.98
  Bottom Layer w10: 1.1 2168.5,1141.5 2196.54,1113.46 v1(2571.54,1113.46)
PA15: P?.44@2836.94,1120.46
PB2: P?.10@1070,900
PB3: P?.26@2670,1403.94
PB4: P?.34@2836.94,1435.42
PB5: P?.27@2670,1435.43
PB6: P?.33@2836.94,1466.91
PB7: P?.28@2670,1466.93
PB8: P?.32@2836.94,1498.41
PB9: P?.29@2670,1498.43
PB15: P?.3@2670,679.53
PC0: P?.18@1070,1151.97
PC1: P?.43@1236.94,1151.95
PC2: P?.17@1070,1120.47
PC3: P?.44@1236.94,1120.46
PC6: P?.11@2670,931.5
PC7: P?.49@2836.94,962.98
PC8: P?.12@2670,962.99
PC9: P?.48@2836.94,994.47
PC10: P?.17@2670,1120.47
PC11: P?.43@2836.94,1151.95
PC12: P?.18@2670,1151.97
PC13: P?.35@1236.94,1403.92
PC14: P?.25@1070,1372.44
PC15: P?.36@1236.94,1372.42
PD0: P?.42@2836.94,1183.45
PD1: P?.19@2670,1183.46
PD2: P?.41@2836.94,1214.94
PD3: P?.20@2670,1214.96
PD4: P?.40@2836.94,1246.44
PD5: P?.21@2670,1246.46
PD6: P?.39@2836.94,1277.94
PD7: P?.22@2670,1277.95
PD10: P?.56@2836.94,742.5
PD11: P?.5@2670,742.52
PD12: P?.55@2836.94,774
PD13: P?.6@2670,774.02
PD14: P?.54@2836.94,805.49
PD15: P?.7@2670,805.51
PE0: P?.31@2836.94,1529.9
PE1: P?.30@2670,1529.92 R4.2 | length 1499.1
  Top Layer w10: P?.30@2670,1529.92 2734.92,1529.92 v1(2735,1530) ; v1(2910,1530) 2969.14,1530 2975,1524.14 v1(2975,660) ; v1(3160,485) R4.2
  Bottom Layer w10: v1(2735,1530) v1(2910,1530) ; v1(2975,660) 3148.09,486.91 3158.09,486.91 v1(3160,485)
PE2: B2.2 C7.2 P?.28@1070,1466.93 R3.1 | length 2915.7
  Top Layer w10: P?.28@1070,1466.93 1071.54,1468.46 1118.46,1468.46 v1(1120,1470) ; v1(3160,995) 3205,995 3213.66,1003.66 3214.25,1003.66 C7.2@3225,1014.41 ; B2.2@3228,1298.35 3228,1207.89 3230.63,1205.26 3230.63,1020.63 C7.2 C7.2@3225,1014.41 ; R3.1 3295,955.59 3246.93,1003.66 3235.75,1003.66 C7.2@3225,1014.41
  Bottom Layer w10: v1(1120,1470) 1145,1445 1885,1445 1920,1410 1920,1115.86 2040.86,995 v1(3160,995)
PE3: P?.33@1236.94,1466.91
PE4: P?.27@1070,1435.43
PE5: P?.34@1236.94,1435.42
PE6: P?.26@1070,1403.94
PF0: P?.24@1070,1340.94
PF1: P?.37@1236.94,1340.93
PF2: P?.23@1070,1309.45
PF3: P?.38@1236.94,1309.43
PF4: P?.22@1070,1277.95
PF5: P?.39@1236.94,1277.94
PF6: P?.21@1070,1246.46
PF7: P?.40@1236.94,1246.44
PF8: P?.20@1070,1214.96
PF9: P?.41@1236.94,1214.94
PF10: P?.19@1070,1183.46
PF11: P?.51@1236.94,899.98
PF12: P?.9@1070,868.5
PG2: P?.53@2836.94,836.99
PG3: P?.8@2670,837.01
PG4: P?.52@2836.94,868.49
PG5: P?.9@2670,868.5
PG6: P?.51@2836.94,899.98
PG7: P?.10@2670,900
PG8: P?.50@2836.94,931.48
PG9: P?.38@2836.94,1309.43
PG10: P?.23@2670,1309.45
PG11: P?.37@2836.94,1340.93
PG12: P?.24@2670,1340.94
PG13: P?.36@2836.94,1372.42
PG14: P?.25@2670,1372.44
PG15: P?.35@2836.94,1403.92
pads on no net: 1.5 1.8 1.9 1.10 *2. *2.A4B9 *2.A5 *2.A8 *2.B4A9 *2.B5 *2.B8 P3. P4. P5.0 P6.0 P6.10 P?. U2.5 U4.5 U?.4
copper on no net:
  other v2: 3205.87,1195 3314.13,1195 3200.87,1655 3309.13,1655
  other v3: 1153.48,1628.33 2753.48,1628.33
  other v4: 1153.48,518.09 2753.48,518.09

## Polygon pours and split planes (outlines as drawn)
+3V3 on Top Layer "NONET_L01_P-001" (solid, remove dead copper, pour order 2): 0,0 3350,0 3350,2205 3345,2210 0,2210
+5V on Top Layer "NONET_L01_P-001" (solid, pour order 5): 181.89,340 1255,340 1255,15 181.89,10
+5V on Top Layer "NONET_L01_P-001" (solid, remove dead copper, pour order 1): 180,710 370,710 370,300 180,300
+3V3 on Top Layer "NONET_L01_P-001" (solid, pour order 0): 480,1045 480,700 585,700 605,720 605,780 670,780 715,825 715,1045
GND on Bottom Layer "NONET_L01_P-001" (solid, remove dead copper, pour order 3): 0,0 3350,0 3350,2205 3345,2210 0,2210

## Keep-outs
Keep-Out Layer:
  the board outline again, w10

## Silkscreen, mask and mechanical layers (free items; w line width, h text height)
Top Overlay:
  region: 988.47,1713.2 1203.47,1713.2 988.47,1498.2
  lines w10: 988.47,443.22 988.47,1713.2 2918.45,1713.2 ; 988.47,443.22 988.47,443.22 ; 988.47,443.22 2918.47,443.22 2918.47,1713.19 ; 2918.45,1713.2 2918.47,1713.19 ; 310,1185 310,1665 910,1665 910,1185 310,1185 ; 355,1935 540,1935 540,2115 355,2115 355,1935 ; 600,130 780,130 780,315 600,315 600,130 ; 2270,125 2450,125 2450,310 2270,310 2270,125 ; 2300,1980 2300,2165 2480,2165 2480,1980 2300,1980
  text "5V/GD" at 2480,2167.13 h60 r180
  text "UART1" at 352.87,2115 h60 r270
  text "USB" at 442.87,2115 h60 r270
  text "PWR" at 2480,2077.13 h60 r180
  text "RESET" at 3162.13,1530 h60 r90
  text "IMU" at 485,1382.87 h60
  text "PE2" at 3172.13,1060 h60 r90
  text "PE1/5V/3V3" at 3172.13,445 h60 r90
  text "PWR" at 600,217.87 h60
  text "CAN1" at 2270,212.87 h60
  text "5V/GD" at 600,127.87 h60
  text "L/H" at 2270,122.87 h60

## Text inside footprints (layer, text, board x,y; h text height)
1: Bottom Overlay "5V" at 1735.18,1649.99 h40 r180